# Altium PCB RUMBA_plus.PcbDoc (part 1 of 3) (continued)
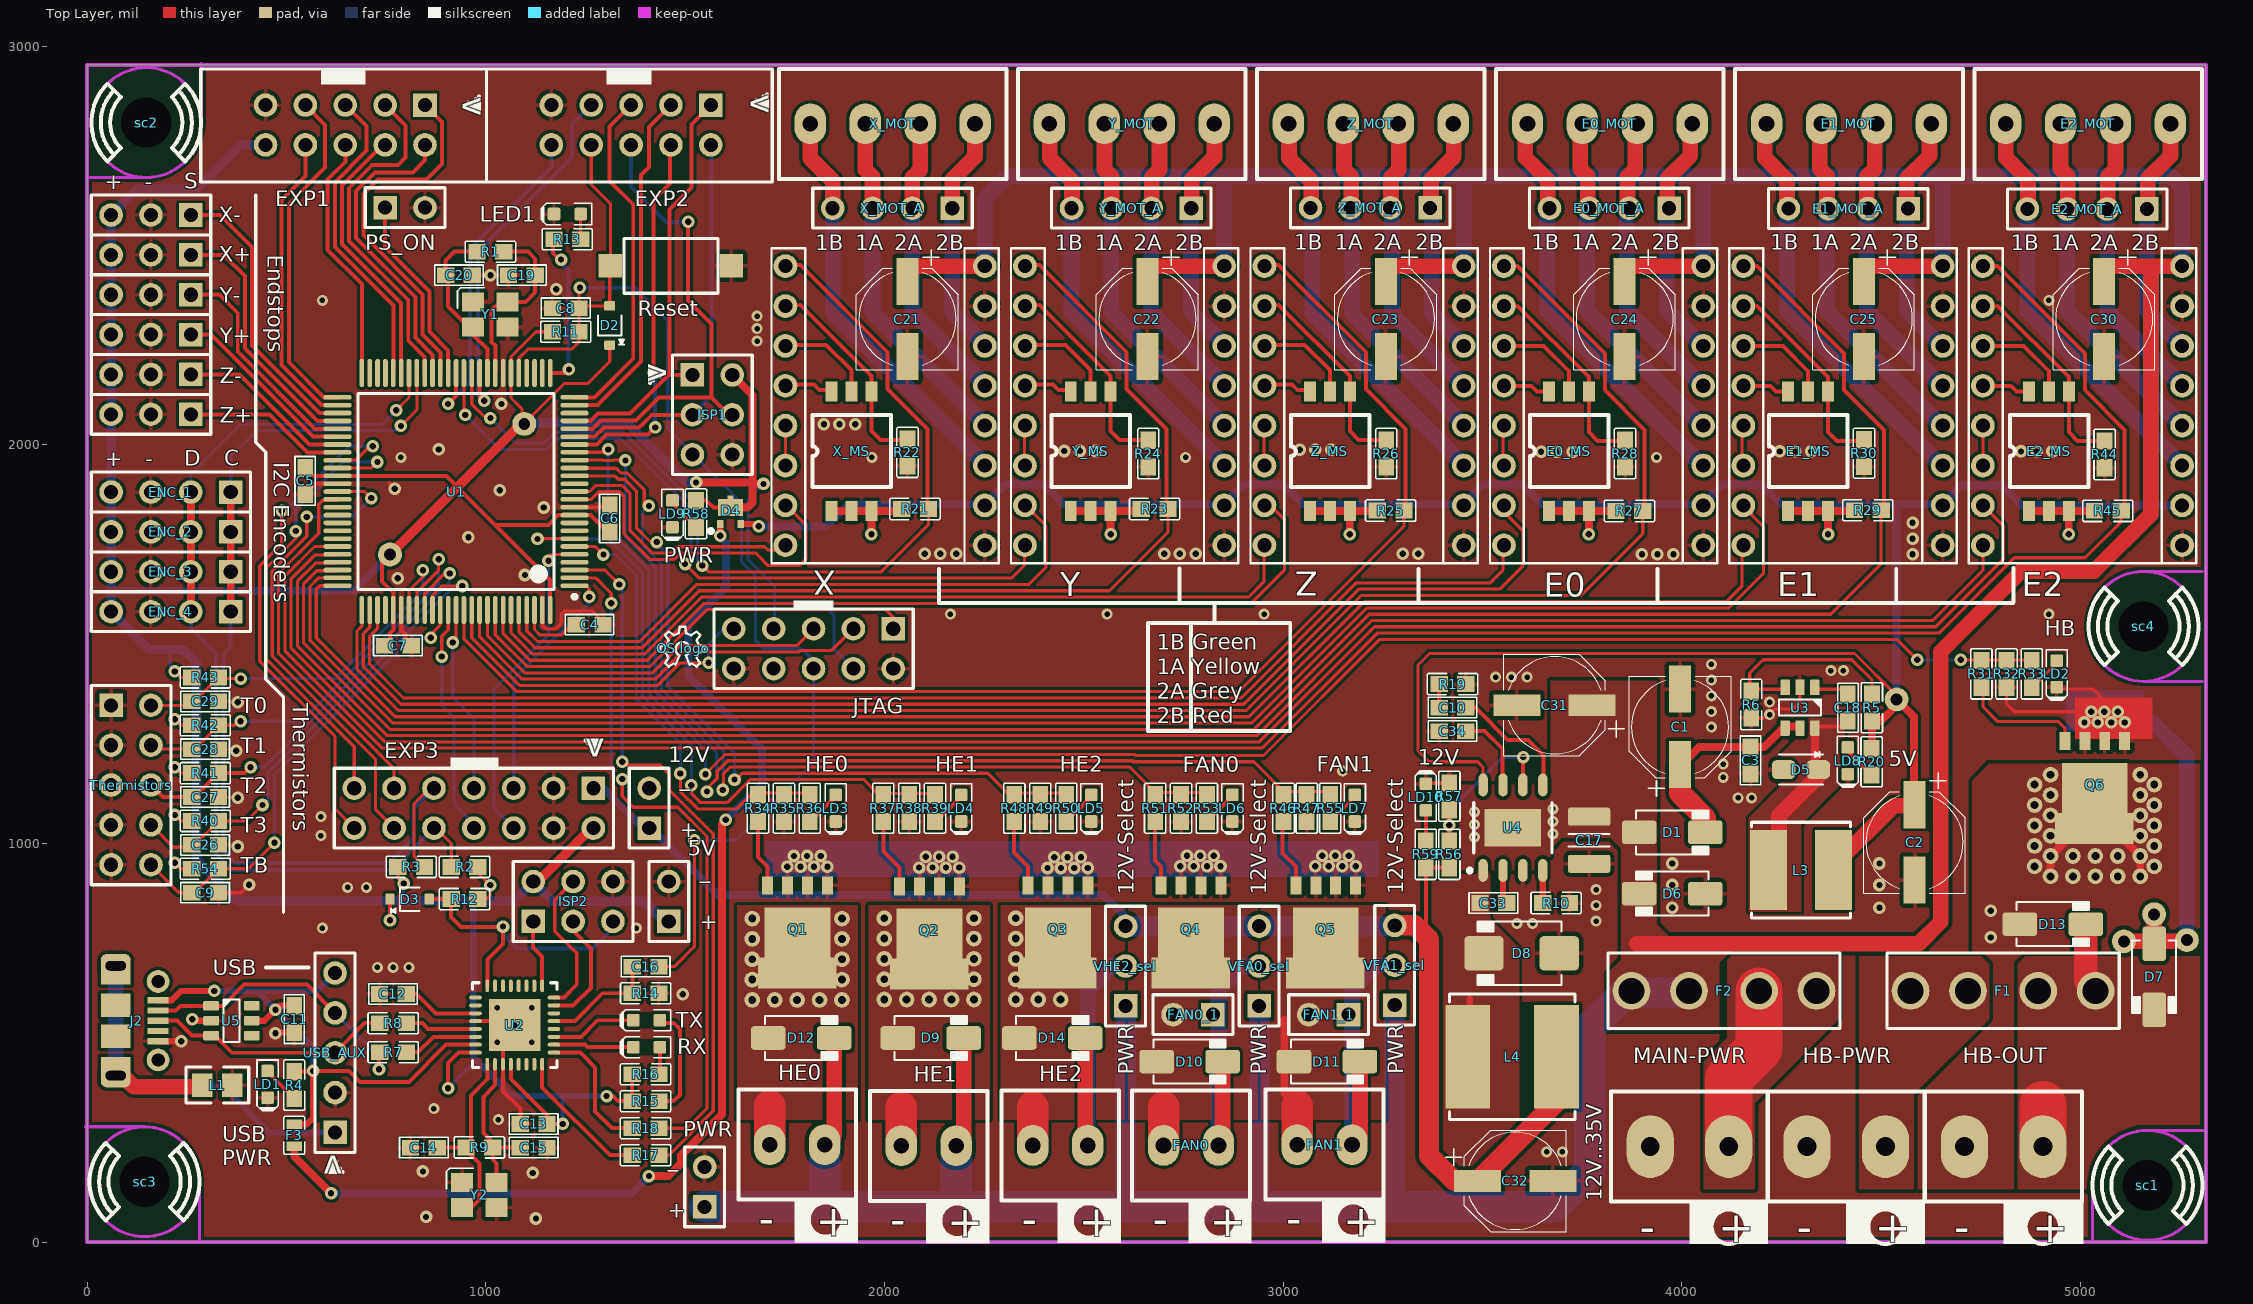
[diagram p0: Top Layer view]
## Components (designator, comment, footprint, x,y, rotation, side; value= is the part's Value field where it differs from the comment) (continued)
R46 "Res-0603-22R" "RES 1608-0603" 3001.15,1088.3 r270 top value=22R
R47 "Res-0603-100K" "RES 1608-0603" 3059.15,1088.3 r270 top value=100K
R48 "Res-0603-22R" "RES 1608-0603" 2326.14,1088.3 r270 top value=22R
R49 "Res-0603-100K" "RES 1608-0603" 2391.14,1088.3 r270 top value=100K
R50 "Res-0603-1K" "RES 1608-0603" 2456.13,1088.3 r90 top value=1K
R51 "Res-0603-22R" "RES 1608-0603" 2679.15,1088.3 r270 top value=22R
R52 "Res-0603-100K" "RES 1608-0603" 2744.15,1088.3 r270 top value=100K
R53 "Res-0603-1K" "RES 1608-0603" 2809.14,1088.3 r90 top value=1K
R54 "Res-0603-4K7" "RES 1608-0603" 296.32,936.3 r0 top value=4.7K
R55 "Res-0603-1K" "RES 1608-0603" 3118.15,1088.3 r90 top value=1K
R56 "Res-0603-140K" "RES 1608-0603" 3417.32,972.44 r90 top value=140K
R57 "Res-0603-10K" "RES 1608-0603" 3417.32,1118.11 r270 top value=10K
R58 "Res-0603-1K" "RES 1608-0603" 1527.56,1826.77 r90 top value=1K
R59 "Res-0603-4K7" "RES 1608-0603" 3358.27,972.44 r270 top value=4.7K
Reset "SW-PB" "SW-PB SMD 2PIN" 1464.57,2448.82 r180 top
RX "YELLOW" "LED 1608-0603" 1403.61,488.61 r180 top
sc1 "Sraf" "SRAF 3MM - RUPA 3.2" 5168.3,142.3 r45 top
sc2 "Sraf" "SRAF 3MM - RUPA 3.2" 148.53,2808.06 r45 top
sc3 "Sraf" "Sraf 3mm - rupa 3.5" 144.3,151.3 r45 top locked
sc4 "Sraf" "SRAF 3MM - RUPA 3.5" 5158.3,1544.3 r45 top
Thermistors "Header 5X2" HDR2X5 60.32,1346.3 r270 top
TX "YELLOW" "LED 1608-0603" 1403.61,556.33 r180 top
U1 "ATMEGA2560" TQFP100N 925.59,1882.56 r180 top locked
U2 "ATMEGA16U2-MU" 32M1-A_N 1072.76,544.25 r90 top
U3 "AOZ1282CI" SOT23-6 4296.86,1340.3 r270 top
U4 "AOZ1284" SOIC127P600X170_HS-9N 3576.77,1039.37 r90 top
U5 "USBLC6-4SC6" SOT23-6 362.2,555.12 r0 top
USB_AUX "Header 5" HDR1X5-HEADER 622.05,274.8 r90 top
VFA0_sel "Header 3" HDR1X3 2940.15,592.3 r90 top
VFA1_sel "Header 3" HDR1X3 3280.15,594.3 r90 top
VHE2_sel "Header 3" HDR1X3 2605.15,592.3 r90 top
X "A4988BREAKOUT" A4988BREAKOUT 1751.94,2447.88 r270 top
X+ "Header 3" HDR1X3 260.3,2476.3 r180 top
X- "Header 3" HDR1X3 260.3,2576.3 r180 top
X_MOT "ScrewTerminal-3.5mm-4Way" "TERM4 3.5MM" 1814.2,2804.88 r0 top
X_MOT_A "Header 4" HDR1X4 2170.3,2593.3 r180 top
X_MS "SW DIP-3" "DIPSW SO6" 1867.56,1834.02 r90 top
Y "A4988BREAKOUT" A4988BREAKOUT 2352.66,2447.88 r270 top
Y1 "16MHz" "3525 SMD CRYSTAL" 1011.81,2326.77 r0 top
Y2 "16MHz" "3525 SMD CRYSTAL" 984.25,118.11 r0 top
Y+ "Header 3" HDR1X3 260.3,2276.3 r180 top
Y- "Header 3" HDR1X3 260.3,2376.3 r180 top
Y_MOT "ScrewTerminal-3.5mm-4Way" "TERM4 3.5MM" 2413.91,2804.88 r0 top
Y_MOT_A "Header 4" HDR1X4 2769.69,2593.3 r180 top
Y_MS "SW DIP-3" "DIPSW SO6" 2467.56,1834.02 r90 top
Z "A4988BREAKOUT" A4988BREAKOUT 2953.38,2447.88 r270 top
Z+ "Header 3" HDR1X3 260.3,2076.3 r180 top
Z- "Header 3" HDR1X3 260.3,2176.3 r180 top
Z_MOT "ScrewTerminal-3.5mm-4Way" "TERM4 3.5MM" 3013.61,2804.88 r0 top
Z_MOT_A "Header 4" HDR1X4 3369.07,2594.3 r180 top
Z_MS "SW DIP-3" "DIPSW SO6" 3067.56,1834.02 r90 top

## Footprints (in the part's own frame and the unit in brackets; to place one, negate y for a bottom-side part, rotate by r counter-clockwise, add the part's x,y. Pads: shape width x height; smd on the part's side, far side on the other; paste and mask are expansions set on the pad)
32M1-A_N [mm] "QFN, 32-Leads, Body 5x5mm, Pitch 0.5mm, Thermal Pad 3.3x3.3mm, IPC Medium Density"
  oval 0.8x0.25 smd: 1(-2.5,1.75) 2(-2.5,1.25) 3(-2.5,0.75) 4(-2.5,0.25) 5(-2.5,-0.25) 6(-2.5,-0.75) 7(-2.5,-1.25) 8(-2.5,-1.75) 17(2.5,-1.75) 18(2.5,-1.25) 19(2.5,-0.75) 20(2.5,-0.25) 21(2.5,0.25) 22(2.5,0.75) 23(2.5,1.25) 24(2.5,1.75)
  oval 0.25x0.8 smd: 9(-1.75,-2.5) 10(-1.25,-2.5) 11(-0.75,-2.5) 12(-0.25,-2.5) 13(0.25,-2.5) 14(0.75,-2.5) 15(1.25,-2.5) 16(1.75,-2.5) 25(1.75,2.5) 26(1.25,2.5) 27(0.75,2.5) 28(0.25,2.5) 29(-0.25,2.5) 30(-0.75,2.5) 31(-1.25,2.5) 32(-1.75,2.5)
  rect 3.3x3.3 smd: 33(0,0)
  silkscreen extent -2.7,-2.7 2.7,2.7, body extent -2.55,-2.55 2.55,2.55, height 1
"3525 SMD CRYSTAL" [mm]
  rect 1.4x1.2 smd: 1(-1.1,-0.8) 2(1.1,-0.8) 3(1.1,0.8) 4(-1.1,0.8)
  silkscreen extent -2.1,0.4 -0.4,1.7, body extent -1.6,-1.24 1.6,1.24, height 0.8
A4988BREAKOUT [mm]
  round 1.51 hole 0.9: 1(0,0) 2(2.54,0) 3(5.08,0) 4(7.62,0) 5(10.16,0) 6(12.7,0) 7(15.24,0) 8(17.78,0) 9(17.78,12.7) 10(15.24,12.7) 11(12.7,12.7) 12(10.16,12.7) 13(7.62,12.7) 14(5.08,12.7) 15(2.54,12.7) 16(0,12.7)
  silkscreen extent -1.14,-0.89 18.92,13.59, body extent -1.67,-1.27 19.45,13.97, height 8.5
"CAP 1608-0603" [mm]
  rect 1.1x1 smd: 1(-0.85,0) 2(0.85,0)
  silkscreen extent -1.55,-0.65 1.55,0.65, body extent -0.8,-0.4 0.8,0.4, height 0.4
"Cap 1608-0603" [mm]
  rect 1.1x1 smd: 1(-0.85,0) 2(0.85,0)
  silkscreen extent -1.55,-0.65 1.55,0.65, body extent -0.8,-0.4 0.8,0.4, height 0.4
"CAP 3225-1210" [mm] "Chip Capacitor, Body 3.2x2.5mm, EIA 1210, IPC Medium Density"
  round 0.508 on Mech15: 0(0,0)
  rrect25% 1.15x2.7 smd: 1(-1.5,0) 2(1.5,0)
  silkscreen extent -0.4,-1.3 0.4,1.3, body extent -1.8,-1.4 1.8,1.4, height 2.19
"CAP EL PANASONIC" [mil]
  rect 55x118 smd: 1(0,190.97) 2(0,1.97)
  silkscreen extent -128,-31 127,271, body extent -134,-57 134,250, height 217
DIOM2616X08N [mm] "Molded Diode, 2-Leads, Body 2.60x1.60mm, IPC Medium Density"
  rrect50% 1.5x1.2 smd: A(1.1,0) K(-1.1,0)
  silkscreen extent -1.4,-1.11 1.4,0.95, body extent -1.35,-0.85 1.35,0.85, height 0.85
"DIPSW SO6" [mil]
  rect 50x30 smd: 1(0,0) 2(0,-50) 3(0,-100) 4(300,-100) 5(300,-50) 6(300,0)
  silkscreen extent 60,-149 240,48, body extent 19,-148 283,50, height 60
DO-214AA [mm] "JEDEC DO214 variation AA. SMB"
  round 0.508 on Mech15: 0(0,0)
  rrect25% 2.5x2.2 smd: A(-2.4,0) K(2.4,0)
  silkscreen extent -2.54,-2.03 2.79,2.03, body extent -2.8,-1.97 2.8,1.98, height 2.62
DO-214AC [mm] "JEDEC DO214 variation AC. SMA"
  round 0.508 on Mech15: 0(0,0)
  rrect25% 2.2x1.5 smd: A(-2.1,0) K(2.1,0)
  silkscreen extent -2.3,-1.4 2.3,1.4, body extent -2.6,-1.3 2.6,1.3, height 2.42
"FUSEHOLDER - BK-6013 - MINI ATC ATO BLADE 15A" [mm]
  round 2.4 hole 1.65: 0(-5.895,0) 0(-2.235,0) 1(2.235,0) 1(5.895,0)
  silkscreen extent -7.4,-2.4 7.4,2.4, body extent -7.4,-2.4 7.4,2.4, height 17.8
HDR1X2 [mm]
  rect 1.5x1.5 hole 0.9: 1(0,0)
  round 1.5 hole 0.9: 2(2.54,0)
  silkscreen extent -1.27,-1.27 3.81,1.27, body extent -1.27,-1.27 3.81,1.27, height 8.6
HDR1X3 [mm]
  rect 1.5x1.5 hole 0.9: 1(0,0)
  round 1.5 hole 0.9: 2(2.54,0) 3(5.08,0)
  silkscreen extent -1.27,-1.27 6.35,1.27, body extent -1.27,-1.27 6.35,1.27, height 8.6
HDR1X4 [mm]
  rect 1.5x1.5 hole 0.9: 1(0,0)
  round 1.5 hole 0.9: 2(2.54,0) 3(5.08,0) 4(7.62,0)
  silkscreen extent -1.27,-1.27 8.89,1.27, body extent -1.27,-1.27 8.89,1.27, height 8.6
HDR1X5-HEADER [mm]
  rect 1.5x1.5 hole 0.9: 1(0,0)
  round 1.5 hole 0.9: 2(2.54,0) 3(5.08,0) 4(7.62,0) 5(10.16,0)
  silkscreen extent -1.27,-1.27 11.43,1.27, body extent -1.27,-1.27 11.43,1.27, height 8.6
HDR2X3 [mm]
  rect 1.5x1.5 hole 0.9: 1(0,0)
  round 1.5 hole 0.9: 2(0,2.54) 3(2.54,0) 4(2.54,2.54) 5(5.08,0) 6(5.08,2.54)
  silkscreen extent -1.27,-1.27 6.35,3.81, body extent -1.27,-1.27 6.35,3.81, height 8.6
HDR2X5 [mm]
  rect 1.5x1.5 hole 0.9: 1(0,0)
  round 1.5 hole 0.9: 2(0,2.54) 3(2.54,0) 4(2.54,2.54) 5(5.08,0) 6(5.08,2.54) 7(7.62,0) 8(7.62,2.54) 9(10.16,0) 10(10.16,2.54)
  silkscreen extent -1.27,-1.27 11.43,3.81, body extent -1.27,-1.27 11.43,3.81, height 8.6
"HDR2X5_EXP INER ONLY\" [mm]
  rect 1.5x1.5 hole 0.9: 1(4.004,2.302)
  round 1.5 hole 0.9: 2(4.004,4.842) 3(6.544,2.302) 4(6.544,4.842) 5(9.084,2.302) 6(9.084,4.842) 7(11.624,2.302) 8(11.624,4.842) 9(14.164,2.302) 10(14.164,4.842)
  silkscreen extent 0.09,0.01 18.29,7.21, body extent 2.73,1.03 15.43,6.11, height 8.6
HDR2X7 [mm]
  rect 1.5x1.5 hole 0.9: 1(0,0)
  round 1.5 hole 0.9: 2(0,2.54) 3(2.54,0) 4(2.54,2.54) 5(5.08,0) 6(5.08,2.54) 7(7.62,0) 8(7.62,2.54) 9(10.16,0) 10(10.16,2.54) 11(12.7,0) 12(12.7,2.54) 13(15.24,0) 14(15.24,2.54)
  silkscreen extent -1.27,-1.27 16.51,3.81, body extent -1.27,-1.27 16.51,3.81, height 8.6
"LED 1608-0603" [mm]
  round 0.254 on Mech15: 0(0,0)
  rrect25% 0.8x0.8 smd: 1(-0.85,0) 2(0.85,0)
  Top Layer pour cut-out: -0.5,0.5 0.5,0.5 0.5,-0.5 -0.5,-0.5
  silkscreen extent -1.55,-0.67 1.68,0.67, body extent -0.8,-0.4 0.8,0.4, height 0.75
LFPACK [mm]
  rect 0.7x1.15 smd: 1(3.81,0) 3(0,0) 3(1.27,0) 3(2.54,0)
  rect 4.2x3.2 smd: 2(1.905,3)
  rect 5x2 smd: 2(1.93,5.588)
  body extent -0.58,-0.33 4.42,6.14, height 1.1
"Micro-USB B Molex 105017-0001" [mm]
  round 1.45 hole 0.85: 4(-2.5,0) 5(2.5,0)
  rect 1.5x1.9 smd: 6(-1,-2.7) 7(1,-2.7) SHIELD(-3.05,-2.7) SHIELD(3.05,-2.7)
  rect 0.4x1.35 smd: D+(0,0) D-(-0.65,0) GND(1.3,0) ID(0.65,0) VBUS(-1.3,0)
  rrect50% 1.5x1.9 hole 0.6 slot 1.3 at 90 deg paste+0: SHIELD(-3.5,-2.7) SHIELD(3.5,-2.7)
  body extent -4.1,-5.25 4.1,0.15, height 2.68
"OS LOGO TOP" [mil]
  silkscreen extent -57,-46 54,54
"PTC Fuse1608-0603" [mm]
  rect 0.6x1 smd: 1(-0.7,0) 2(0.7,0)
  silkscreen extent -1.2,-0.67 1.2,0.67, body extent -0.82,-0.42 0.83,0.43, height 0.48
"RES 1608-0603" [mm]
  rect 1.1x1 smd: 1(-0.85,0) 2(0.85,0)
  silkscreen extent -1.6,-0.68 1.6,0.67, body extent -0.77,-0.38 0.82,0.43, height 0.4
"RES 2012-0805" [mm]
  rect 1.3x1.5 smd: 1(-0.95,0) 2(0.95,0)
  silkscreen extent -2,-1.15 2,1.15, body extent -1,-0.63 1,0.63, height 1.5
SOD323 [mm] "SOD-323; 2 Leads; Body 1.8 x 1.35 mm, (LxW)"
  round 0.508 on Mech15: 0(0,0)
  rrect25% 0.6x0.7 smd: A(1.25,0) K(-1.25,0)
  silkscreen extent -1.2,-0.9 0.64,0.75, body extent -1.3,-0.68 1.3,0.68, height 1.1
SOIC127P600X170_HS-9N [mm] "SOIC, 8-Leads, Body 4.90x3.90mm, Pitch 1.27mm, Thermal Pad 3.60x2.41mm, IPC Medium Density"
  oval 1.45x0.6 smd: 1(-2.725,1.905) 2(-2.725,0.635) 3(-2.725,-0.635) 4(-2.725,-1.905) 5(2.725,-1.905) 6(2.725,-0.635) 7(2.725,0.635) 8(2.725,1.905)
  rect 2.41x3.6 smd: 9(0,0)
  silkscreen extent -2.85,-2.5 1.6,2.88, body extent -2.93,-2.45 3.07,2.45, height 1.75
SOT23-6 [mm]
  round 0.5 on Mech15: 0(0,0)
  rrect25% 1x0.6 smd: 1(-1.3,0.95) 2(-1.3,0) 3(-1.3,-0.95) 4(1.3,-0.95) 5(1.3,0) 6(1.3,0.95)
  silkscreen extent -0.51,-1.35 0.51,1.35, body extent -1.4,-1.45 1.4,1.45, height 1.44
SOT1061 [mm]
  rect 0.4x0.5 smd: 1(-0.65,-0.8) 2(0.65,-0.8)
  rect 1.6x1.1 smd: 3(0,0.25)
  rect 0.4x0.25 smd: 3(0,0.9)
  silkscreen extent -1.37,-1.37 -1.12,-1.13, body extent -1,-1 1,1, height 0.65
"SRAF 3MM - RUPA 3.2" [mm]
  round 3 hole 3.2: 0(0,0)
  silkscreen extent -3.5,-3.5 3.5,3.5
"Sraf 3mm - rupa 3.5" [mm]
  round 3 hole 3.2: 0(0,0)
  silkscreen extent -3.5,-3.5 3.5,3.5
"SRAF 3MM - RUPA 3.5" [mm]
  round 3 hole 3.2: 0(0,0)
  silkscreen extent -3.5,-3.5 3.5,3.5
"SRN6045TA SMD Inductor" [mm]
  rect 5.1x2.35 smd: 1(0,2.075) 2(0,-2.075)
  silkscreen extent -3.05,-3.15 3.05,3.15, body extent -3,-3 3,3, height 4.25
"SRN8040TA SMD INDUCTOR" [mm]
  rect 6.6x2.85 smd: 1(0,2.825) 2(0,-2.825)
  silkscreen extent -4,-4 4,4, body extent -4,-4 4,4, height 4.2
"SW-PB SMD 2PIN" [mm]
  rect 1.5x1.5 smd: 1(-3.85,0) 2(3.85,0)
  silkscreen extent -3,-1.75 3,1.75, body extent -4,-1.75 4,1.75, height 4.3
"TERM2 3.5MM" [mm]
  oval 2x2.6 hole 1: 1(0,0) 2(3.5,0)
  silkscreen extent -2,-3.5 5.5,3.5, body extent -1.85,-3.8 5.26,3.49, height 8.51
"TERM2 5MM" [mm]
  oval 3x4 hole 1.2: 1(0,0) 2(5,0)
  silkscreen extent -2.5,-3.5 7.5,3.5, body extent -2.54,-4.9 7.47,5, height 14.6
"TERM4 3.5MM" [mm]
  oval 2x2.6 hole 1: 1(0,0) 2(3.5,0) 3(7,0) 4(10.5,0)
  silkscreen extent -2,-3.5 12.5,3.5, body extent -1.73,-3.81 12.24,3.48, height 8.51
TQFP100N [mm]
  oval 1.8x0.3 smd: 1(-7.55,6) 2(-7.55,5.5) 3(-7.55,5) 4(-7.55,4.5) 5(-7.55,4) 6(-7.55,3.5) 7(-7.55,3) 8(-7.55,2.5) 9(-7.55,2) 10(-7.55,1.5) 11(-7.55,1) 12(-7.55,0.5) 13(-7.55,0) 14(-7.55,-0.5) 15(-7.55,-1) 16(-7.55,-1.5) 17(-7.55,-2) 18(-7.55,-2.5) 19(-7.55,-3) 20(-7.55,-3.5) 21(-7.55,-4) 22(-7.55,-4.5) 23(-7.55,-5) 24(-7.55,-5.5) 25(-7.55,-6) 51(7.55,-6) 52(7.55,-5.5) 53(7.55,-5) 54(7.55,-4.5) 55(7.55,-4) 56(7.55,-3.5) 57(7.55,-3) 58(7.55,-2.5) 59(7.55,-2) 60(7.55,-1.5) 61(7.55,-1) 62(7.55,-0.5) 63(7.55,0) 64(7.55,0.5) 65(7.55,1) 66(7.55,1.5) 67(7.55,2) 68(7.55,2.5) 69(7.55,3) 70(7.55,3.5) 71(7.55,4) 72(7.55,4.5) 73(7.55,5) 74(7.55,5.5) 75(7.55,6)
  oval 0.3x1.8 smd: 26(-6,-7.55) 27(-5.5,-7.55) 28(-5,-7.55) 29(-4.5,-7.55) 30(-4,-7.55) 31(-3.5,-7.55) 32(-3,-7.55) 33(-2.5,-7.55) 34(-2,-7.55) 35(-1.5,-7.55) 36(-1,-7.55) 37(-0.5,-7.55) 38(0,-7.55) 39(0.5,-7.55) 40(1,-7.55) 41(1.5,-7.55) 42(2,-7.55) 43(2.5,-7.55) 44(3,-7.55) 45(3.5,-7.55) 46(4,-7.55) 47(4.5,-7.55) 48(5,-7.55) 49(5.5,-7.55) 50(6,-7.55) 76(6,7.55) 77(5.5,7.55) 78(5,7.55) 79(4.5,7.55) 80(4,7.55) 81(3.5,7.55) 82(3,7.55) 83(2.5,7.55) 84(2,7.55) 85(1.5,7.55) 86(1,7.55) 87(0.5,7.55) 88(0,7.55) 89(-0.5,7.55) 90(-1,7.55) 91(-1.5,7.55) 92(-2,7.55) 93(-2.5,7.55) 94(-3,7.55) 95(-3.5,7.55) 96(-4,7.55) 97(-4.5,7.55) 98(-5,7.55) 99(-5.5,7.55) 100(-6,7.55)
  silkscreen extent -7.68,-6.25 6.25,6.82, body extent -7.98,-8.03 8.02,7.97, height 1.11

## Part data
5V 12V FAN0_1 FAN1_1 PS_ON PWR: "Header, 2-Pin", Supplier Part Number 1=3M9447-ND, LatestRevisionDate=17-Jul-2002, LatestRevisionNote="Re-released for DXP Platform.", Note="Approved sub OK", Publisher="Altium Limited", Supplier 1=Digi-Key
C1 C2 C21 C22 C23 C24 C25 C30 C31 C32: "Polarized Capacitor (Surface Mount)", Supplier Part Number 1=PCE5016CT-ND, Note="Approved sub OK", Published=8-Jun-2000, Publisher="Altium Limited", Revision="July-2002: Re-released for DXP Platform.", Supplier 1=Digi-Key
C3 C9 C12 C26 C27 C28 C29: library part CAPC_1u_0603_X7R_16V_10%, "Capacitor SMD Cer 1uF 10% 16V X7R 0603", Manufacturer 1="TDK Corporation", Manufacturer Part Number 1=C1608X7R1C105K, Package / Case="0603 (1608 metric)", Ratings="16V; X7R", Supplier Part Number 1=445-1604-1-ND, TOLERANCE=±10%, ComponentLink1Description=http://product.tdk.com/capacitor/mlcc/en/documents/mlcc_commercial_general_en.pdf, ComponentLink1URL=http://product.tdk.com/capacitor/mlcc/en/documents/mlcc_commercial_general_en.pdf, Material=ceramic, Note="Approved sub OK", SCDType=spec, Supplier 1=Digi-Key
C4 C5 C6 C7 C11 C13 C16 C18 C33 C34: "Capacitor (Semiconductor SIM Model)", Supplier Part Number 1=311-1344-1-ND, Note="Approved sub OK", Published=8-Jun-2000, Publisher="Altium Limited", Revision="July-2002: Re-released for DXP Platform.", Supplier 1=Digi-Key
C8 C14 C15 C19 C20: "Capacitor (Semiconductor SIM Model)", Supplier Part Number 1=478-6204-1-ND, Note="Approved sub OK", Published=8-Jun-2000, Publisher="Altium Limited", Revision="July-2002: Re-released for DXP Platform.", Supplier 1=Digi-Key
C10: library part CapC-0603-100nF, "Capacitor (Semiconductor SIM Model)", Supplier Part Number 1=311-1344-1-ND, Note="Approved sub OK", Published=8-Jun-2000, Publisher="Altium Limited", Revision="July-2002: Re-released for DXP Platform.", Supplier 1=Digi-Key
C17: "Capacitor (Semiconductor SIM Model)", Supplier Part Number 1=490-1864-1-ND, Note="Approved sub OK", Published=8-Jun-2000, Publisher="Altium Limited", Revision="July-2002: Re-released for DXP Platform.", Supplier 1=Digi-Key
D1 D6 D7 D9 D10 D11 D12 D13 D14: library part DIODE_100V_1.5A_SMA, "Diode SMD 100V 1.5A SMA", Manufacturer 1="Diodes Inc", Manufacturer Part Number 1=S2BA-13-F, Package / Case="DO-214AC, SMA", Supplier Part Number 1=S2BA-FDICT-ND, Diode Type=Standard, Material=Si, Note="Approved sub OK", Ratings="100V; 1.5A", SCDType=source, Supplier 1=Digi-Key
D2 D3: "Diode SMD 300mA 0.5W SOD323", Manufacturer="Micro Commercial Co", Manufacturer Part Number=1N4148WX-TP, Package / Case=SOD323, Ratings="75V; 300mA; 0.5W", Supplier Part Number 1=1N4148WXTPMSCT-ND, Diode Type=Standard, Material=Si, Note="Approved sub OK", SCDType=source, Supplier 1=Digi-Key
D4: "Default Diode", Supplier Part Number 1=1727-5194-1-ND, Code - JEDEC=DO-214-AB, Note="Approved sub OK", Published=8-Jun-2000, Publisher="Altium Limited", Revision="July-2002: Re-released for DXP Platform.", Supplier 1=Digi-Key
D5: "Default Diode", Supplier Part Number 1=DB2W40200LCT-ND, Code - JEDEC=DO-214-AB, Note="Approved sub OK", Published=8-Jun-2000, Publisher="Altium Limited", Revision="July-2002: Re-released for DXP Platform.", Supplier 1=Digi-Key
D8: library part "Diode Schottky - 40V 4A - SSB44-E3", "Schottky Diode", Supplier Part Number 1=SSB44-E3/52TGICT-ND, Code - JEDEC=DO-214-AA, Note="Approved sub OK", Published=8-Jun-2000, Publisher="Altium Limited", Revision="July-2002: Re-released for DXP Platform.", Supplier 1=Digi-Key
E0 E1 E2 X Y Z: Supplier Part Number 1=S7006-ND, Note="Approved sub OK", Supplier 1=Digi-Key
E0_MOT E1_MOT E2_MOT X_MOT Y_MOT Z_MOT: "Screw Terminal 3.5mm 4-Way", Supplier Part Number 1=277-5744-ND, LatestRevisionDate=17-Jul-2002, LatestRevisionNote="Re-released for DXP Platform.", Note="Approved sub OK", Publisher="Altium Limited", Supplier 1=Digi-Key
E0_MOT_A E1_MOT_A E2_MOT_A X_MOT_A Y_MOT_A Z_MOT_A: library part "Header 4_1", "Header, 4-Pin", Supplier Part Number 1=3M9449-ND, LatestRevisionDate=17-Jul-2002, LatestRevisionNote="Re-released for DXP Platform.", Note="Approved sub OK", Publisher="Altium Limited", Supplier 1=Digi-Key
E0_MS E1_MS E2_MS X_MS Y_MS Z_MS: "DIP Switch", Supplier Part Number 1=732-3853-1-ND, Note="Approved sub OK", Published=24-Mar-1999, Publisher="Altium Limited", Revision="July-2002: Re-released for DXP Platform.", Supplier 1=Digi-Key
ENC_1 ENC_2 ENC_3 ENC_4: "Header, 4-Pin", LatestRevisionDate=17-Jul-2002, LatestRevisionNote="Re-released for DXP Platform.", Note="Approved sub OK", Publisher="Altium Limited"
EXP1 EXP2 JTAG Thermistors: "Header, 5-Pin, Dual row", Supplier Part Number 1=3M9460-ND, LatestRevisionDate=17-Jul-2002, LatestRevisionNote="Re-released for DXP Platform.", Note="Approved sub OK", Publisher="Altium Limited", Supplier 1=Digi-Key
EXP3: "Header, 7-Pin, Dual row", Supplier Part Number 1=3M15450-ND, LatestRevisionDate=17-Jul-2002, LatestRevisionNote="Re-released for DXP Platform.", Note="Approved sub OK", Publisher="Altium Limited", Supplier 1=Digi-Key
F1 F2: Supplier Part Number 1=BK-6013-ND, Note="Approved sub OK", Supplier 1=Digi-Key
F3: library part "Fuse - 15V 200mA Trip PTC SMD 0603", "Fuse - 15V 200mA Trip PTC SMD 0603", Manufacturer 1="Holly Fuse", Manufacturer Part Number 1=06T-0160L, Package / Case="0603 (1608 metric)", Ratings="160mA; 63VDC; slow-blow", Supplier Part Number 1=507-1821-1-ND, Note="Approved sub OK", SCDType=spec, Supplier 1=Digi-Key
FAN0 FAN1 HE0 HE1 HE2: library part ScrewTerminal-3.5mm-2Way, Supplier Part Number 1=277-5719-ND, Note="Approved sub OK", Supplier 1=Digi-Key
HB-OUT HB-PWR MAIN-PWR: library part ScrewTerminal-5mm-2Way, Supplier Part Number 1=277-6405-ND, Note="Approved sub OK", Supplier 1=Digi-Key
ISP1 ISP2: "Header, 3-Pin, Dual row", Supplier Part Number 1=3M9459-ND, LatestRevisionDate=17-Jul-2002, LatestRevisionNote="Re-released for DXP Platform.", Note="Approved sub OK", Publisher="Altium Limited", Supplier 1=Digi-Key
J2: Supplier Part Number 1=WM1399CT-ND, Note="Approved sub OK", Supplier 1=Digi-Key
L1: "MagneticCore Inductor with Winding Polarity Marking", Supplier Part Number 1=490-1054-1-ND, Note="Approved sub OK", Published=24-Mar-1999, Publisher="Altium Limited", Revision="July-2002: Re-released for DXP Platform.", Supplier 1=Digi-Key
L3: "MagneticCore Inductor with Winding Polarity Marking", Supplier Part Number 1=SRN6045TA-330MCT-ND, Note="Approved sub OK", Published=24-Mar-1999, Publisher="Altium Limited", Revision="July-2002: Re-released for DXP Platform.", Supplier 1=Digi-Key
L4: "MagneticCore Inductor with Winding Polarity Marking", Supplier Part Number 1=SRN8040TA-470MCT-ND, Note="Approved sub OK", Published=24-Mar-1999, Publisher="Altium Limited", Revision="July-2002: Re-released for DXP Platform.", Supplier 1=Digi-Key
LD1 LD2 LD3 LD4 LD5 LD6 LD7 LD8 LD9 LD10: library part "LEDG  0603", "Hyper-Bright LED", Supplier Part Number 1=160-1435-2-ND, Note="Approved sub OK", Supplier 1=Digi-Key
LED1 RX TX: library part "LEDY  0603", "Hyper-Bright LED", Supplier Part Number 1=160-1437-1-ND, Note="Approved sub OK", Supplier 1=Digi-Key
Q1 Q2 Q3 Q4 Q5: library part "MOSFET - BUK9Y21-40E", Supplier Part Number 1=1727-1123-1-ND, Supplier 1=Digi-Key
Q6: library part "MOSFET - PSMN1R8-40YLC", Supplier Part Number 1=1727-1052-1-ND, Supplier 1=Digi-Key
R1 R9: "Resistor", Supplier Part Number 1=311-1.00MHRDKR-ND, Note="Approved sub OK", Published=8-Jun-2000, Publisher="Altium Limited", Revision="July-2002: Re-released for DXP Platform.", Supplier 1=Digi-Key
R2 R3 R6 R11 R12 R21 R23 R25 R27 R29 R45 R57: "Resistor", Supplier Part Number 1=311-10.0KHRCT-ND, Note="Approved sub OK", Published=8-Jun-2000, Publisher="Altium Limited", Revision="July-2002: Re-released for DXP Platform.", Supplier 1=Digi-Key
R4 R13 R14 R15 R16 R17 R18 R20 R33 R36 R39 R50 R53 R55 R58: "Resistor", Supplier Part Number 1=311-1.00KHRCT-ND, Note="Approved sub OK", Published=8-Jun-2000, Publisher="Altium Limited", Revision="July-2002: Re-released for DXP Platform.", Supplier 1=Digi-Key
R5: library part Res-0603-10K, "Resistor", Supplier Part Number 1=311-10.0KHRCT-ND, Note="Approved sub OK", Published=8-Jun-2000, Publisher="Altium Limited", Revision="July-2002: Re-released for DXP Platform.", Supplier 1=Digi-Key
R7 R8 R31 R34 R37 R46 R48 R51: "Resistor", Supplier Part Number 1=311-22.0HRCT-ND, Note="Approved sub OK", Published=8-Jun-2000, Publisher="Altium Limited", Revision="July-2002: Re-released for DXP Platform.", Supplier 1=Digi-Key
R10 R22 R24 R26 R28 R30 R32 R35 R38 R44 R47 R49 R52: "Resistor", Supplier Part Number 1=311-100KHRCT-ND, Note="Approved sub OK", Published=8-Jun-2000, Publisher="Altium Limited", Revision="July-2002: Re-released for DXP Platform.", Supplier 1=Digi-Key
R19: library part Res-0603-53.6K, "Resistor", Supplier Part Number 1=311-53.6KHRCT-ND, Note="Approved sub OK", Published=8-Jun-2000, Publisher="Altium Limited", Revision="July-2002: Re-released for DXP Platform.", Supplier 1=Digi-Key
R40 R41 R42 R43 R54 R59: "Resistor", Supplier Part Number 1=311-4.7KGRCT-ND, Note="Approved sub OK", Published=8-Jun-2000, Publisher="Altium Limited", Revision="July-2002: Re-released for DXP Platform.", Supplier 1=Digi-Key
R56: library part Res-0603-1K, "Resistor", Supplier Part Number 1=311-1.00KHRCT-ND, Note="Approved sub OK", Published=8-Jun-2000, Publisher="Altium Limited", Revision="July-2002: Re-released for DXP Platform.", Supplier 1=Digi-Key
Reset: "SMD Tactile Switch", Supplier Part Number 1=679-2396-1-ND, Note="Approved sub OK", Supplier 1=Digi-Key
U1: "The high-performance, low-power Atmel 8-bit AVR RISC-based microcontroller", Supplier Part Number 1=ATMEGA2560-16AU-ND, Supplier 1=Digi-Key
U2: "High Performance, Low Power USB2.0 AVR® 8-Bit Microcontroller", Supplier 1=Digi-Key
U3: library part "Buck Regulator AOZ1282CI", Supplier Part Number 1=785-1613-1-ND, Supplier 1=Digi-Key
U4: library part "Regulator - AOZ1284 4A Buck Regulator", Supplier Part Number 1=785-1689-1-ND, Supplier 1=Digi-Key
U5: library part "USBLC6-4SC6 USB ESD Protection", "ESD Protection IC", Supplier Part Number 1=497-4492-1-ND, Note="Approved sub OK", Supplier 1=Digi-Key
USB_AUX: library part "Header 5x1", "Header, 5-Pin", Supplier Part Number 1=3M9449-ND, LatestRevisionDate=17-Jul-2002, LatestRevisionNote="Re-released for DXP Platform.", Note="Approved sub OK", Publisher="Altium Limited", Supplier 1=Digi-Key
VFA0_sel VFA1_sel VHE2_sel X+ X- Y+ Y- Z+ Z-: "Header, 3-Pin", Supplier Part Number 1=3M9448-ND, LatestRevisionDate=17-Jul-2002, LatestRevisionNote="Re-released for DXP Platform.", Note="Approved sub OK", Publisher="Altium Limited", Supplier 1=Digi-Key
Y1 Y2: library part XTAL_2, "Crystal Oscillator", Manufacturer="Generic Components", Supplier Part Number 1=SER3686CT-ND, Class=Oscillator, Note="Approved sub OK", Published=08/06/2000, Publisher="Altium Hobart Technology Centre", SubClass="Crystal Oscillator", Supplier 1=Digi-Key
"OS logo" sc1 sc2 sc3 sc4: Note="Approved sub OK"

## Free pads (board coordinates)
  round 60 hole 30: 2(1096.65,2052.3) 3(759.84,1724.41) 5(5267.3,757.29) 6(5109.3,754.29) 8(5185.3,822.17) 9(4539.3,1361.3)
  round 39.37 hole 19.68: 2(1668.65,607.3) 2(1668.65,658.3) 2(1668.65,709.3) 2(1668.65,760.3) 2(1668.65,811.3) 2(1724.9,607.3) 2(1781.15,607.3) 2(1837.4,607.3) 2(1893.65,607.3) 2(1893.65,658.3) 2(1893.65,709.3) 2(1893.65,760.3) 2(1893.65,811.3) 2(1999.65,608.3) 2(1999.65,659.3) 2(1999.65,710.3) 2(1999.65,761.3) 2(1999.65,812.3) 2(2055.9,608.3) 2(2112.15,608.3) 2(2168.4,608.3) 2(2224.65,608.3) 2(2224.65,659.3) 2(2224.65,710.3) 2(2224.65,761.3) 2(2224.65,812.3) 2(2329.65,608.3) 2(2329.65,659.3) 2(2329.65,710.3) 2(2329.65,761.3) 2(2329.65,812.3) 2(2385.9,608.3) 2(2442.15,608.3) 2(4885.3,942.3) 2(4885.3,993.55) 2(4885.3,1044.8) 2(4885.3,1096.05) 2(4885.3,1147.3) 2(4925.3,917.3) 2(4925.3,968.3) 2(4925.3,1019.3) 2(4925.3,1070.3) 2(4925.3,1121.3) 2(4925.3,1172.3) 2(4981.55,917.3) 2(4981.55,968.3) 2(5037.8,917.3) 2(5037.8,968.3) 2(5094.05,917.3) 2(5094.05,968.3) 2(5150.3,917.3) 2(5150.3,968.3) 2(5150.3,1019.3) 2(5150.3,1070.3) 2(5150.3,1121.3) 2(5150.3,1172.3) 2(5185.3,942.3) 2(5185.3,993.55) 2(5185.3,1044.8) 2(5185.3,1096.05) 2(5185.3,1147.3)

## Via types
v1: diameter 31.5, hole 15.75, Top Layer to Bottom Layer, tented both sides, 190 vias
v2: diameter 27.56, hole 13.78, Top Layer to Bottom Layer, tented both sides, 54 vias
v3: diameter 27.56, hole 13.78, Top Layer to Bottom Layer, 5 vias